# Altium PCB PM06-电源板-V1.PcbDoc
Units mm, origin at the board's own origin, x right, y up, seen from the top; angles counter-clockwise.
Board outline 100 x 40 mm, 2 copper layers (Top Layer, Bottom Layer); 58 components, 27 nets, 156 pads, 47 vias.
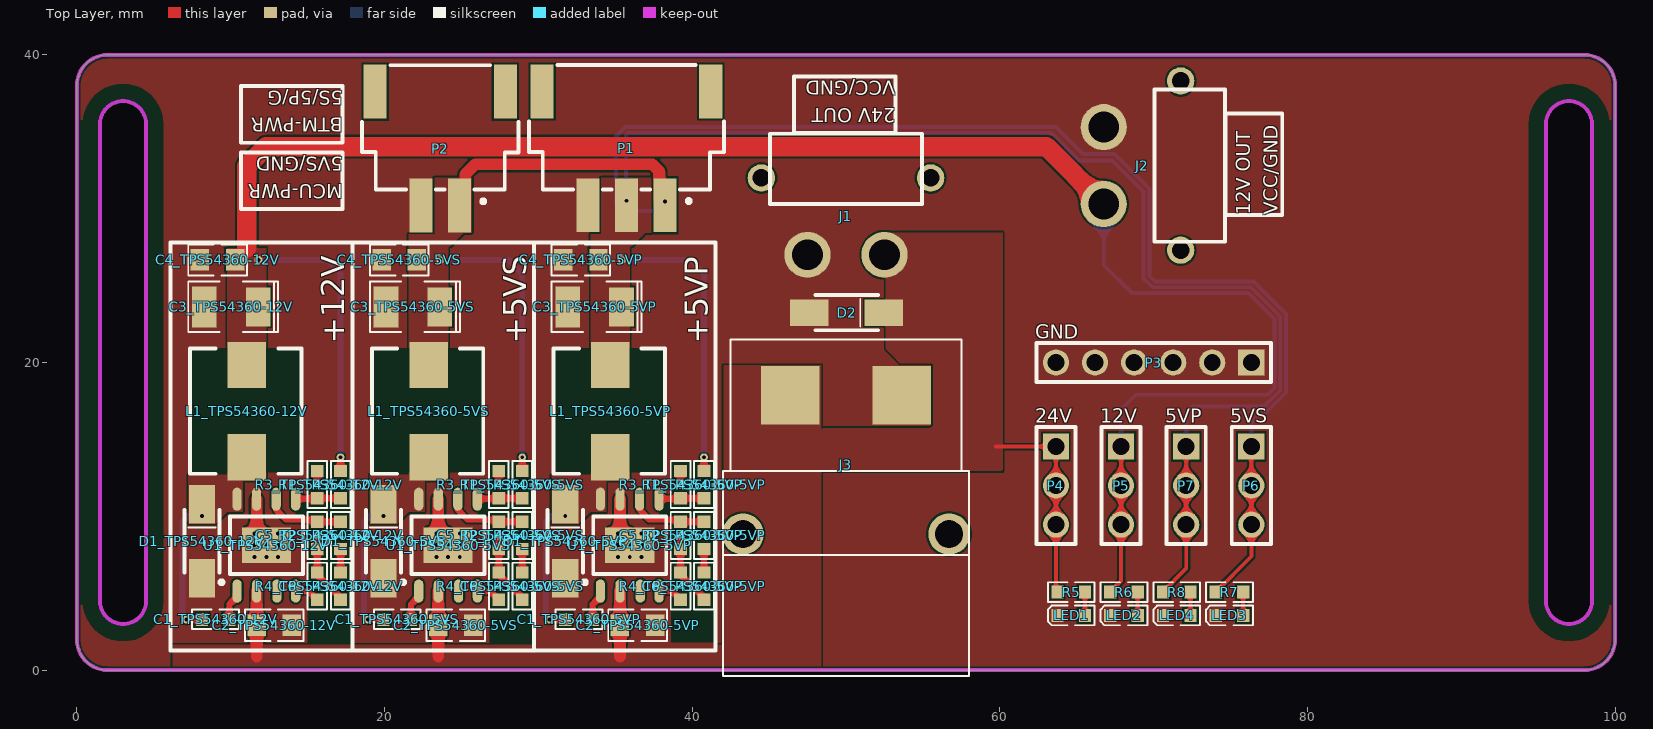
[diagram p0: Top Layer view]
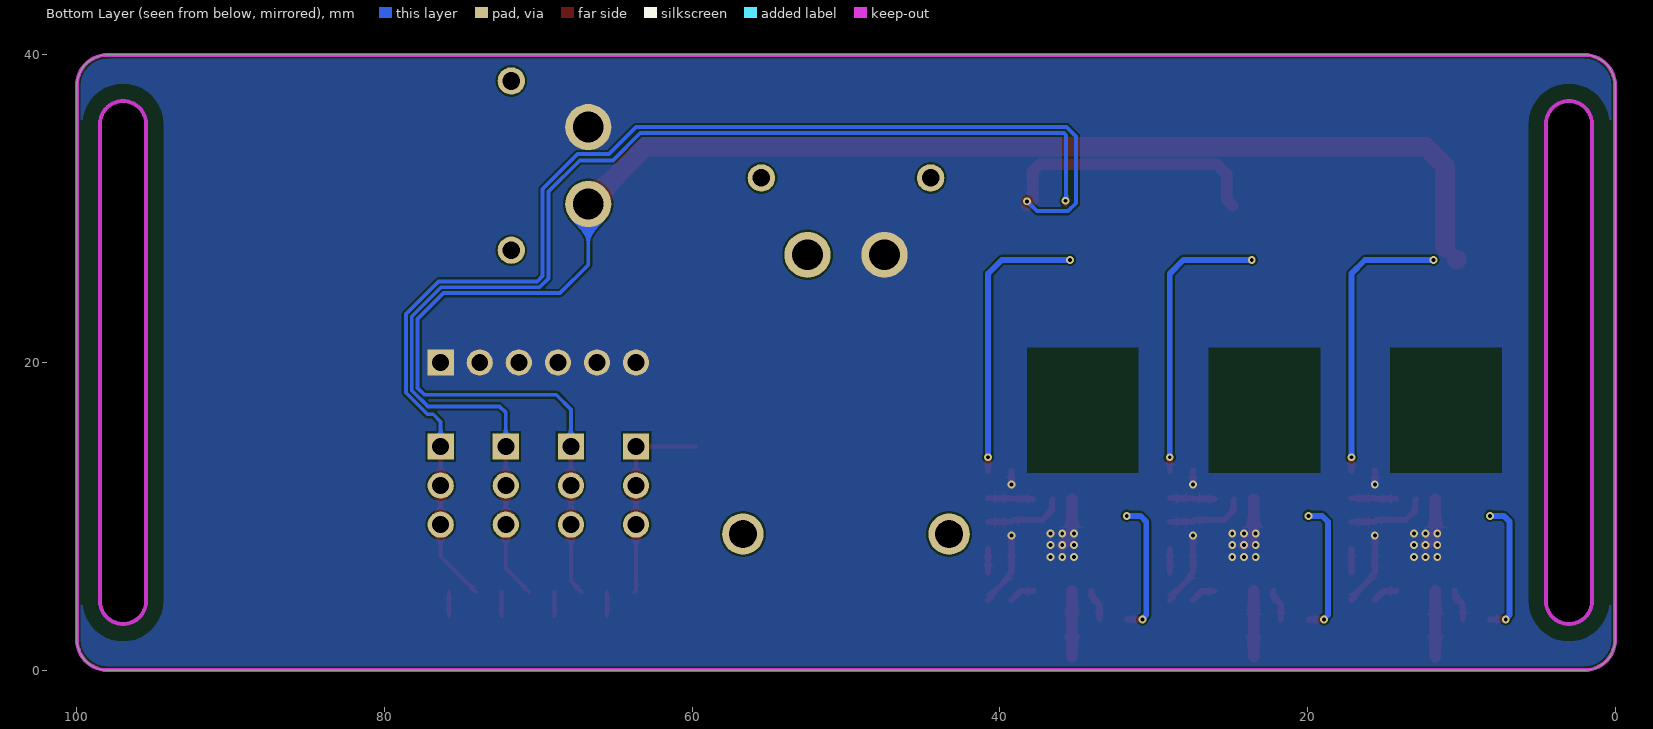
[diagram p1: Bottom Layer view, seen from below]
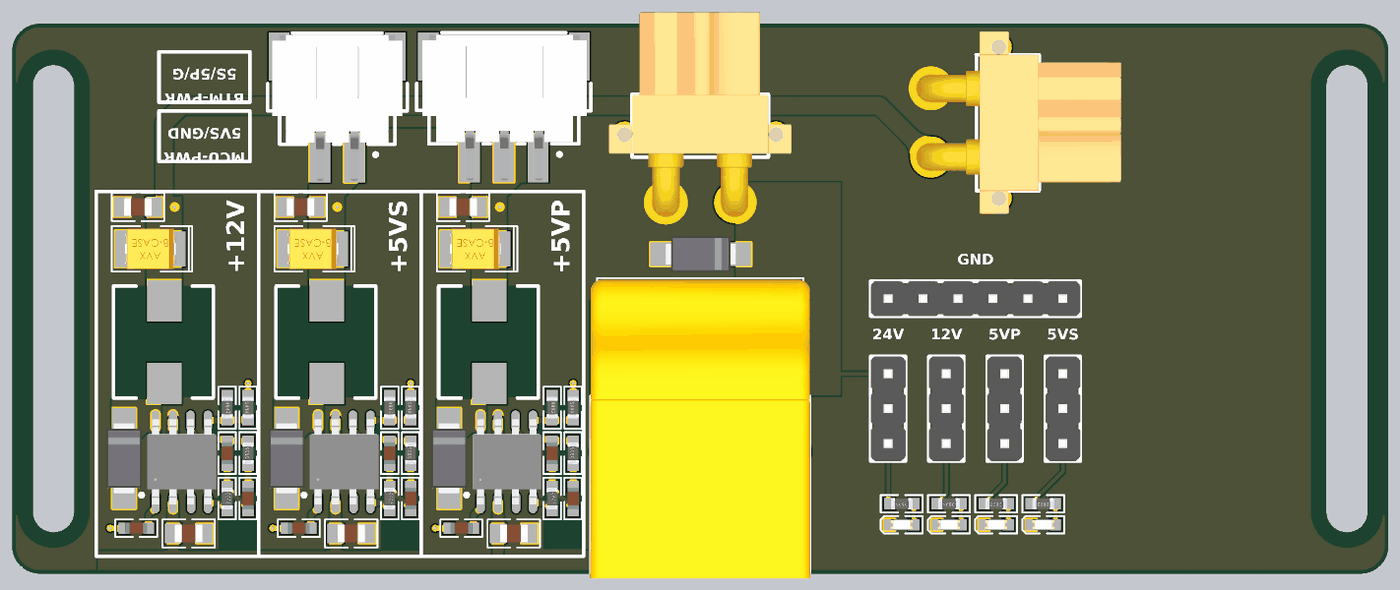
[diagram p2: 3D render of the assembled board from above, using the file's embedded part models]

## Layer stack, top to bottom
Top Solder: solder mask 0.0102, Solder Resist, Dk 3.5
Top Layer: signal copper 0.0356
Dielectric 1: dielectric 0.32, FR-4, Dk 4.8
Bottom Layer: signal copper 0.0356
Bottom Solder: solder mask 0.0102, Solder Resist, Dk 3.5

## Board outline
2,0 cw(c2,2) 0,2 0,38 cw(c2,38) 2,40 98,40 cw(c98,38) 100,38 100,2 cw(c98,2) 98,0
cut-out: 95.5,4.5 95.5,35.5 cw(c97,35.5) 98.5,35.5 98.5,4.5 cw(c97,4.5)
cut-out: 1.5,4.5 ccw(c3,4.5) 4.5,4.5 4.5,35.5 ccw(c3,35.5) 1.5,35.5

## Design rules (kind name [scope] priority, off if disabled: settings)
Clearance [All] p1: gap=0.127 ignorepadtopadclearanceinfootprint=FALSE
PolygonConnect [All] p1: connectstyle=Direct reliefconductorwidth=0.254 reliefentries=4 polygonreliefangle="90 Angle" airgapwidth=0.254
RoomDefinition TPS54360-12V [InComponentClass('TPS54360-12V')] p1: confinementstyle=ConfineIn formatcopy=TRUE lockcomponents=FALSE outline 17.907,1.778 17.907,27.94 6.223,27.94 6.223,1.778
RoutingVias [All] p1: holewidth=0.254 width=0.508 viastyle="Through Hole" minholewidth=0.254 minwidth=0.508 maxholewidth=0.711 maxwidth=1.27
SolderMaskExpansion [All] p1: expansion=0.102 istentingtop=FALSE
Width [All] p1: maxlimit=1.27 minlimit=0.127 preferedwidth=0.254
30 further rules are at their usual default settings.

## Classes and differential pairs
component class TPS54360-12V: C1_TPS54360-12V C2_TPS54360-12V C3_TPS54360-12V C4_TPS54360-12V C5_TPS54360-12V C6_TPS54360-12V D1_TPS54360-12V L1_TPS54360-12V R1_TPS54360-12V R2_TPS54360-12V R3_TPS54360-12V R4_TPS54360-12V U1_TPS54360-12V
component class TPS54360-5VS: C1_TPS54360-5VS C2_TPS54360-5VS C3_TPS54360-5VS C4_TPS54360-5VS C5_TPS54360-5VS C6_TPS54360-5VS D1_TPS54360-5VS L1_TPS54360-5VS R1_TPS54360-5VS R2_TPS54360-5VS R3_TPS54360-5VS R4_TPS54360-5VS U1_TPS54360-5VS
channel class TPS54360: TPS54360-5VP TPS54360-5VS TPS54360-12V
component class main: D2 J1 J2 J3 LED1 LED2 LED3 LED4 P1 P2 P3 P4 P5 P6 P7 R5 R6 R7 R8
component class TPS54360-5VP: C1_TPS54360-5VP C2_TPS54360-5VP C3_TPS54360-5VP C4_TPS54360-5VP C5_TPS54360-5VP C6_TPS54360-5VP D1_TPS54360-5VP L1_TPS54360-5VP R1_TPS54360-5VP R2_TPS54360-5VP R3_TPS54360-5VP R4_TPS54360-5VP U1_TPS54360-5VP

## Components (designator, comment, footprint, x,y, rotation, side; value= is the part's Value field where it differs from the comment)
C1_TPS54360-5VP "100nF" 0603C 32.639,3.302 r0 top (schematic designator C1)
C1_TPS54360-5VS "100nF" 0603C 20.828,3.302 r0 top (schematic designator C1)
C1_TPS54360-12V "100nF" 0603C 9.017,3.302 r0 top (schematic designator C1)
C2_TPS54360-5VP "4.7uF" 0805C 36.449,2.921 r180 top (schematic designator C2)
C2_TPS54360-5VS "4.7uF" 0805C 24.638,2.921 r180 top (schematic designator C2)
C2_TPS54360-12V "4.7uF" 0805C 12.827,2.921 r180 top (schematic designator C2)
C3_TPS54360-5VP "钽电容" 3528B/1210 33.655,23.622 r180 top (schematic designator C3)
C3_TPS54360-5VS "钽电容" 3528B/1210 21.844,23.622 r180 top (schematic designator C3)
C3_TPS54360-12V "钽电容" 3528B/1210 10.033,23.622 r180 top (schematic designator C3)
C4_TPS54360-5VP "47uF" 0805C 32.766,26.67 r0 top (schematic designator C4)
C4_TPS54360-5VS "47uF" 0805C 20.955,26.67 r0 top (schematic designator C4)
C4_TPS54360-12V "47uF" 0805C 9.144,26.67 r0 top (schematic designator C4)
C5_TPS54360-5VP "4.7nF" 0603C 39.243,8.763 r270 top (schematic designator C5)
C5_TPS54360-5VS "4.7nF" 0603C 27.432,8.763 r270 top (schematic designator C5)
C5_TPS54360-12V "4.7nF" 0603C 15.621,8.763 r270 top (schematic designator C5)
C6_TPS54360-5VP "4.7nF" 0603C 40.767,5.461 r270 top (schematic designator C6)
C6_TPS54360-5VS "4.7nF" 0603C 28.956,5.461 r270 top (schematic designator C6)
C6_TPS54360-12V "4.7nF" 0603C 17.145,5.461 r270 top (schematic designator C6)
D1_TPS54360-5VP "SS56" SMA 31.75,8.382 r90 top (schematic designator D1)
D1_TPS54360-5VS "SS56" SMA 19.939,8.382 r90 top (schematic designator D1)
D1_TPS54360-12V "SS56" SMA 8.128,8.382 r90 top (schematic designator D1)
D2 "SMAJ24A" SMA 50.038,23.241 r0 top
J1 "XT60" XT30-PW-F 50,27 r0 top
J2 "XT60" XT30-PW-F 66.755,32.805 r270 top
J3 "XT60" XT60-PT-M 50,10 r180 top
L1_TPS54360-5VP "10uH" 0630L 34.671,16.843 r90 top (schematic designator L1)
L1_TPS54360-5VS "10uH" 0630L 22.86,16.843 r90 top (schematic designator L1)
L1_TPS54360-12V "10uH" 0630L 11.049,16.843 r90 top (schematic designator L1)
LED1 "LED" 0603D 64.643,3.556 r180 top
LED2 "LED" 0603D 68.072,3.556 r180 top
LED3 "LED" 0603D 74.93,3.556 r180 top
LED4 "LED" 0603D 71.501,3.556 r180 top
P1 "XH2.54" XH2.54_AW_1*3 35.727,33.926 r180 top
P2 "XH2.54AW" XH2.54_AW_1*2 23.622,33.909 r180 top
P3 "排针" Pin-PB-M-1*6 70,20 r180 top
P4 "排针" Pin-PB-M-1*3 63.65,12 r270 top
P5 "排针" Pin-PB-M-1*3 67.883,12 r270 top
P6 "排针" Pin-PB-M-1*3 76.35,12 r270 top
P7 "排针" Pin-PB-M-1*3 72.117,12 r270 top
R1_TPS54360-5VP "60.4K" 0603R 40.767,12.065 r90 top (schematic designator R1)
R1_TPS54360-5VS "60.4K" 0603R 28.956,12.065 r90 top (schematic designator R1)
R1_TPS54360-12V "60.4K" 0603R 17.145,12.065 r90 top (schematic designator R1)
R2_TPS54360-5VP "28.7K" 0603R 40.767,8.763 r90 top (schematic designator R2)
R2_TPS54360-5VS "28.7K" 0603R 28.956,8.763 r90 top (schematic designator R2)
R2_TPS54360-12V "28.7K" 0603R 17.145,8.763 r90 top (schematic designator R2)
R3_TPS54360-5VP "11.5K" 0603R 39.243,12.065 r270 top (schematic designator R3)
R3_TPS54360-5VS "11.5K" 0603R 27.432,12.065 r270 top (schematic designator R3)
R3_TPS54360-12V "11.5K" 0603R 15.621,12.065 r270 top (schematic designator R3)
R4_TPS54360-5VP "124K" 0603R 39.243,5.461 r270 top (schematic designator R4)
R4_TPS54360-5VS "124K" 0603R 27.432,5.461 r270 top (schematic designator R4)
R4_TPS54360-12V "124K" 0603R 15.621,5.461 r270 top (schematic designator R4)
R5 "10K" 0603R 64.643,5.08 r180 top
R6 "10K" 0603R 68.072,5.08 r180 top
R7 "10K" 0603R 74.93,5.08 r180 top
R8 "10K" 0603R 71.501,5.08 r180 top
U1_TPS54360-5VP "TPS54360" SOP-8-PP 35.941,8.128 r90 top (schematic designator U1)
U1_TPS54360-5VS "TPS54360" SOP-8-PP 24.13,8.128 r90 top (schematic designator U1)
U1_TPS54360-12V "TPS54360" SOP-8-PP 12.319,8.128 r90 top (schematic designator U1)

## Footprints (in the part's own frame and the unit in brackets; to place one, negate y for a bottom-side part, rotate by r counter-clockwise, add the part's x,y. Pads: shape width x height; smd on the part's side, far side on the other; paste and mask are expansions set on the pad)
0603C [mm] "0603锟斤拷装锟斤拷锟斤拷锟斤拷锟斤拷"
  rect 0.8x0.83 smd: 1(-0.889,0) 2(0.889,0)
  silkscreen extent -1.52,-0.64 1.52,0.64, body extent -0.8,-0.41 0.8,0.41, height 0.81
0603D [mm] "0603锟斤拷装锟斤拷LED锟斤拷"
  rect 0.8x0.83 smd: 1(-0.889,0) 2(0.889,0)
  silkscreen extent -1.52,-0.64 1.52,0.64, body extent -0.81,-0.4 0.81,0.4, height 0.6
0603R [mm] "0603锟斤拷装锟斤拷锟斤拷锟斤拷锟矫ｏ拷缺锟斤拷为锟斤拷锟斤拷锟斤拷锟斤拷/锟斤拷锟斤拷"
  rect 0.8x0.83 smd: 1(-0.889,0) 2(0.889,0)
  silkscreen extent -1.52,-0.64 1.52,0.64, body extent -0.8,-0.4 0.8,0.4, height 0.42
0630L [mm]
  rect 3x2.5 smd: 1(-3,0) 2(3,0)
  silkscreen extent -4.07,-3.56 4.07,3.68, body extent -4,-3.43 4,3.57, height 4
0805C [mm] "0805锟斤拷装锟斤拷锟斤拷锟斤拷锟斤拷"
  rect 1.2x1.4 smd: 1(-1.143,0) 2(1.143,0)
  silkscreen extent -1.91,-1.02 1.91,1.02, body extent -1,-0.65 1,0.64, height 1.28
3528B/1210 [mm] "1210锟斤拷装锟斤拷锟斤拷锟斤拷锟紹锟斤拷锟矫ｏ拷缺锟斤拷为锟斤拷锟斤拷锟斤拷锟斤拷/锟斤拷锟斤拷"
  rect 1.6x2.54 smd: 1(-1.75,0)
  rect 1.6x2.667 smd: 2(1.75,0)
  silkscreen extent -3.05,-1.65 2.79,1.65, body extent -1.85,-1.47 1.85,1.46, height 2.03
Pin-PB-M-1*3 [mm]
  rect 1.7x1.7 hole 1.1: 1(-2.54,0)
  round 1.7 hole 1.1: 2(0,0) 3(2.54,0)
  silkscreen extent -3.81,-1.27 3.81,1.27, body extent -3.81,-1.27 3.81,1.27, height 8.54
Pin-PB-M-1*6 [mm]
  rect 1.7x1.7 hole 1.1: 1(-6.35,0)
  round 1.7 hole 1.1: 2(-3.81,0) 3(-1.27,0) 4(1.27,0) 5(3.81,0) 6(6.35,0)
  silkscreen extent -7.62,-1.27 7.62,1.27, body extent -7.62,-1.27 7.62,1.27, height 8.54
SMA [mm] "锟斤拷锟斤拷锟斤拷肖锟截伙拷锟斤拷锟斤拷锟杰的凤拷装锟斤拷锟斤拷锟斤拷锟竭碉拷一锟斤拷为锟斤拷锟斤拷"
  rect 2.5x1.7 smd: 1(-2.413,0) 2(2.413,0)
  silkscreen extent -2.03,-1.14 2.03,1.14, body extent -2.6,-1.3 2.6,1.3, height 2.37
SOP-8-PP [mm] "通锟斤拷SOP8锟斤拷装锟斤拷锟斤拷锟阶诧拷锟斤拷锟斤拷"
  oval 1.5x0.6 smd: 1(-2.984,1.905) 2(-2.984,0.635) 3(-2.984,-0.686) 4(-2.984,-1.905) 5(2.984,-1.905) 6(2.984,-0.635) 7(2.984,0.635) 8(2.984,1.905)
  rect 2.3x3.2 smd: 9(0,0)
  silkscreen extent -2.54,-2.37 1.87,3.05, body extent -3.1,-2.5 3.1,2.5, height 1.7
XH2.54_AW_1*2 [mm]
  rect 1.5x3.5 smd: 1(-1.25,3.7) 2(1.25,3.7) ""(-4.23,-3.7) ""(4.23,-3.7)
  silkscreen extent -5.08,-5.42 5.08,3.56, body extent -4.73,-5.27 4.73,5.33, height 5.97
XH2.54_AW_1*3 [mm]
  rect 1.5x3.5 smd: 1(-2.5,3.7) 2(0,3.7) 3(2.5,3.7) ""(-5.48,-3.7) ""(5.48,-3.7)
  silkscreen extent -6.33,-5.42 6.33,3.56, body extent -6.02,-5.28 5.93,5.32, height 5.97
XT30-PW-F [mm]
  round 3 hole 2: 1(2.5,0) 2(-2.5,0)
  round 1.778 hole 1.143: 3(-5.5,5) 4(5.5,5)
  silkscreen extent -4.95,3.29 4.95,7.87, body extent -6.65,-1.06 6.65,13.84, height 5
XT60-PT-M [mm]
  rect 3.81x3.81 smd: 1(3.625,-7.875) 2(-3.625,-7.875)
  round 2.7 hole 1.8 slot 1.8 at 0 deg: ""(-6.7,1.15) ""(6.7,1.15)
  silkscreen extent -8,-11.5 8,10.38, body extent -8,-11.38 8,10.32, height 8.37

## Part data
C1_TPS54360-5VP C1_TPS54360-5VS C1_TPS54360-12V C2_TPS54360-5VP C2_TPS54360-5VS C2_TPS54360-12V C4_TPS54360-5VP C4_TPS54360-5VS C4_TPS54360-12V C5_TPS54360-5VP C5_TPS54360-5VS C5_TPS54360-12V C6_TPS54360-5VP C6_TPS54360-5VS C6_TPS54360-12V: library part 电容_贴片
C3_TPS54360-5VP C3_TPS54360-5VS C3_TPS54360-12V: library part 电容_贴片钽
D1_TPS54360-5VP D1_TPS54360-5VS D1_TPS54360-12V: library part 二极管_肖特基
D2: library part 二极管_瞬态抑制
J1 J2 J3: library part 接口_XT
L1_TPS54360-5VP L1_TPS54360-5VS L1_TPS54360-12V: library part 电感_贴片
LED1 LED2 LED3 LED4: library part 二极管_贴片发光
P1 P4 P5 P6 P7: library part 接插件1*3
P2: library part 接插件1*2
P3: library part 接插件1*6
R1_TPS54360-5VP R1_TPS54360-5VS R1_TPS54360-12V R2_TPS54360-5VP R2_TPS54360-5VS R2_TPS54360-12V R3_TPS54360-5VP R3_TPS54360-5VS R3_TPS54360-12V R4_TPS54360-5VP R4_TPS54360-5VS R4_TPS54360-12V R5 R6 R7 R8: library part 电阻_贴片
U1_TPS54360-5VP U1_TPS54360-5VS U1_TPS54360-12V: library part 芯片/IC-电源管理-TPS54360

## Via types
v1: diameter 0.508, hole 0.254, Top Layer to Bottom Layer, 47 vias

## Nets (pads, with @x,y where several pads share a name; then routed paths per layer and width w, separated by ;. In a path a pad name is that pad's centre, name@x,y a point inside that pad or via, vN(x,y) a via of type N, cw(c..) or ccw(c..) an arc to the next point about the centre after c; other vN are vias at no path point)
+5VP: C3_TPS54360-5VP.1 C4_TPS54360-5VP.2 L1_TPS54360-5VP.2 P1.2 P7.1 P7.2 P7.3 R1_TPS54360-5VP.2 R8.2 | length 97.8
  Top Layer w0.254: P1.2 v1(35.727,30.52) ; R8.2 70.612,5.095 72.117,6.6 P7.3 P7.2 P7.1
  Top Layer w0.381: R1_TPS54360-5VP.2 v1(40.767,13.843)
  Bottom Layer w0.254: v1(35.727,30.52) 35.687,30.56 35.687,34.776 35.836,34.925 63.373,34.925 65.151,33.147 67.31,33.147 69.342,31.115 69.342,26.797 69.342,25.465 69.915,24.892 71.247,24.892 76.331,24.892 78.232,22.991 78.232,18.192 77.185,17.145 72.517,17.145 72.117,16.745 P7.1
  Bottom Layer w0.381: v1(35.433,26.67) 39.878,26.67 40.767,25.781 v1(40.767,13.843)
+5VS: C3_TPS54360-5VS.1 C4_TPS54360-5VS.2 L1_TPS54360-5VS.2 P1.1 P2.1 P6.1 P6.2 P6.3 R1_TPS54360-5VS.2 R7.2 | length 116.6
  Top Layer w0.254: R7.2 74.041,5.095 76.35,7.404 P6.3 P6.2 P6.1
  Top Layer w0.381: R1_TPS54360-5VS.2 v1(28.956,13.843)
  Top Layer w0.762: P2.1 25.241,30.578 25.241,32.226 25.908,32.893 37.412,32.893 37.858,32.447 37.858,30.595 P1.1@38.1,30.353 ; P1.1 v1(38.227,30.48)
  Bottom Layer w0.254: v1(38.227,30.48) 37.592,29.845 35.56,29.845 35.052,30.353 35.052,34.702 35.656,35.306 63.647,35.306 65.402,33.551 67.445,33.551 69.723,31.273 69.723,25.623 70.073,25.273 76.489,25.273 78.613,23.149 78.613,18.034 77.216,16.637 76.835,16.637 76.35,16.152 P6.1
  Bottom Layer w0.381: v1(23.622,26.67) 28.067,26.67 28.956,25.781 v1(28.956,13.843)
+12V: C3_TPS54360-12V.1 C4_TPS54360-12V.2 J2.1 L1_TPS54360-12V.2 P5.1 P5.2 P5.3 R1_TPS54360-12V.2 R6.2 | length 125.4
  Top Layer w0.254: R6.2 67.183,5.095 67.883,5.795 P5.3 P5.2 P5.1
  Top Layer w0.381: R1_TPS54360-12V.2 v1(17.145,13.843)
  Top Layer w1.27: C4_TPS54360-12V.2 C4_TPS54360-12V.2@10.287,26.7 ; 11.049,27.462 11.049,32.766 12.319,34.036 63.024,34.036 J2.1
  Bottom Layer w0.254: J2.1 66.755,26.336 68.58,24.511 76.173,24.511 77.851,22.833 77.851,18.35 77.408,17.907 68.834,17.907 67.883,16.956 P5.1
  Bottom Layer w0.381: v1(11.811,26.67) 16.256,26.67 17.145,25.781 v1(17.145,13.843)
FB_54360_TPS54360-5VP: R1_TPS54360-5VP.1 R3_TPS54360-5VP.2 U1_TPS54360-5VP.5 | length 2.9
  Top Layer w0.381: U1_TPS54360-5VP.5 37.878,11.144 39.211,11.144 R3_TPS54360-5VP.2 R1_TPS54360-5VP.1
FB_54360_TPS54360-5VS: R1_TPS54360-5VS.1 R3_TPS54360-5VS.2 U1_TPS54360-5VS.5 | length 2.9
  Top Layer w0.381: U1_TPS54360-5VS.5 26.067,11.144 27.4,11.144 R3_TPS54360-5VS.2 R1_TPS54360-5VS.1
FB_54360_TPS54360-12V: R1_TPS54360-12V.1 R3_TPS54360-12V.2 U1_TPS54360-12V.5 | length 2.9
  Top Layer w0.381: U1_TPS54360-12V.5 14.256,11.144 15.589,11.144 R3_TPS54360-12V.2 R1_TPS54360-12V.1
GND: C2_TPS54360-5VP.1 C2_TPS54360-5VS.1 C2_TPS54360-12V.1 C3_TPS54360-5VP.2 C3_TPS54360-5VS.2 C3_TPS54360-12V.2 C4_TPS54360-5VP.1 C4_TPS54360-5VS.1 C4_TPS54360-12V.1 C5_TPS54360-5VP.2 C5_TPS54360-5VS.2 C5_TPS54360-12V.2 C6_TPS54360-5VP.2 C6_TPS54360-5VS.2 C6_TPS54360-12V.2 D1_TPS54360-5VP.1 D1_TPS54360-5VS.1 D1_TPS54360-12V.1 D2.1 J1.2 J2.2 J3.2 LED1.2 LED2.2 LED3.2 LED4.2 P1.3 P2.2 P3.1 P3.2 P3.3 P3.4 P3.5 P3.6 R3_TPS54360-5VP.1 R3_TPS54360-5VS.1 R3_TPS54360-12V.1 R4_TPS54360-5VP.1 R4_TPS54360-5VS.1 R4_TPS54360-12V.1 U1_TPS54360-5VP.7 U1_TPS54360-5VP.9 U1_TPS54360-5VS.7 U1_TPS54360-5VS.9 U1_TPS54360-12V.7 U1_TPS54360-12V.9 | length 26.9
  Top Layer w0.381: v1(15.621,8.763) C5_TPS54360-12V.2 R4_TPS54360-12V.1 15.636,6.35 15.846,6.14 15.846,5.998 16.92,4.924 16.92,4.782 17.13,4.572 C6_TPS54360-12V.2 ; v1(15.621,12.065) R3_TPS54360-12V.1 ; v1(27.432,8.763) C5_TPS54360-5VS.2 R4_TPS54360-5VS.1 27.447,6.35 27.657,6.14 27.657,5.998 28.731,4.924 28.731,4.782 28.941,4.572 C6_TPS54360-5VS.2 ; v1(27.432,12.065) R3_TPS54360-5VS.1 ; v1(39.243,8.763) C5_TPS54360-5VP.2 R4_TPS54360-5VP.1 39.258,6.35 39.468,6.14 39.468,5.998 40.542,4.924 40.542,4.782 40.752,4.572 C6_TPS54360-5VP.2 ; v1(39.243,12.065) R3_TPS54360-5VP.1
  Top Layer w0.762: U1_TPS54360-12V.7 11.684,8.763 v1(12.319,8.128) ; U1_TPS54360-5VS.7 23.495,8.763 v1(24.13,8.128) ; U1_TPS54360-5VP.7 35.306,8.763 v1(35.941,8.128)
  other v1: 11.557,7.366 12.319,7.366 13.081,7.366 23.368,7.366 24.13,7.366 24.892,7.366 35.179,7.366 35.941,7.366 36.703,7.366 11.557,8.128 13.081,8.128 23.368,8.128 24.892,8.128 35.179,8.128 36.703,8.128 11.557,8.89 12.319,8.89 13.081,8.89 23.368,8.89 24.13,8.89 24.892,8.89 35.179,8.89 35.941,8.89 36.703,8.89
NetC1_TPS54360-5VP_1: C1_TPS54360-5VP.1 D1_TPS54360-5VP.2 L1_TPS54360-5VP.1 U1_TPS54360-5VP.8 | length 8.9
  Top Layer w0.381: v1(30.734,3.302) C1_TPS54360-5VP.1
  Bottom Layer w0.381: v1(30.734,3.302) 30.734,3.335 30.48,3.589 30.48,9.652 30.861,10.033 v1(31.75,10.033)
NetC1_TPS54360-5VP_2: C1_TPS54360-5VP.2 U1_TPS54360-5VP.1 | length 2.1
  Top Layer w0.381: C1_TPS54360-5VP.2 33.528,4.289 33.891,4.652 33.935,4.652 34.036,4.753 U1_TPS54360-5VP.1
NetC1_TPS54360-5VS_1: C1_TPS54360-5VS.1 D1_TPS54360-5VS.2 L1_TPS54360-5VS.1 U1_TPS54360-5VS.8 | length 8.9
  Top Layer w0.381: v1(18.923,3.302) C1_TPS54360-5VS.1
  Bottom Layer w0.381: v1(18.923,3.302) 18.923,3.335 18.669,3.589 18.669,9.652 19.05,10.033 v1(19.939,10.033)
NetC1_TPS54360-5VS_2: C1_TPS54360-5VS.2 U1_TPS54360-5VS.1 | length 2.1
  Top Layer w0.381: C1_TPS54360-5VS.2 21.717,4.289 22.08,4.652 22.124,4.652 22.225,4.753 U1_TPS54360-5VS.1
NetC1_TPS54360-12V_1: C1_TPS54360-12V.1 D1_TPS54360-12V.2 L1_TPS54360-12V.1 U1_TPS54360-12V.8 | length 8.9
  Top Layer w0.381: v1(7.112,3.302) C1_TPS54360-12V.1
  Bottom Layer w0.381: v1(7.112,3.302) 7.112,3.335 6.858,3.589 6.858,9.652 7.239,10.033 v1(8.128,10.033)
NetC1_TPS54360-12V_2: C1_TPS54360-12V.2 U1_TPS54360-12V.1 | length 2.1
  Top Layer w0.381: C1_TPS54360-12V.2 9.906,4.289 10.269,4.652 10.313,4.652 10.414,4.753 U1_TPS54360-12V.1
NetC5_TPS54360-5VP_1: C5_TPS54360-5VP.1 R2_TPS54360-5VP.2 U1_TPS54360-5VP.6 | length 5.2
  Top Layer w0.381: U1_TPS54360-5VP.6 36.618,11.071 36.618,10.372 37.211,9.779 39.116,9.779 C5_TPS54360-5VP.1 R2_TPS54360-5VP.2
NetC5_TPS54360-5VS_1: C5_TPS54360-5VS.1 R2_TPS54360-5VS.2 U1_TPS54360-5VS.6 | length 5.2
  Top Layer w0.381: U1_TPS54360-5VS.6 24.807,11.071 24.807,10.372 25.4,9.779 27.305,9.779 C5_TPS54360-5VS.1 R2_TPS54360-5VS.2
NetC5_TPS54360-12V_1: C5_TPS54360-12V.1 R2_TPS54360-12V.2 U1_TPS54360-12V.6 | length 5.2
  Top Layer w0.381: U1_TPS54360-12V.6 12.996,11.071 12.996,10.372 13.589,9.779 15.494,9.779 C5_TPS54360-12V.1 R2_TPS54360-12V.2
NetC6_TPS54360-5VP_1: C6_TPS54360-5VP.1 R2_TPS54360-5VP.1 | length 1.5
  Top Layer w0.381: C6_TPS54360-5VP.1 R2_TPS54360-5VP.1
NetC6_TPS54360-5VS_1: C6_TPS54360-5VS.1 R2_TPS54360-5VS.1 | length 1.5
  Top Layer w0.381: C6_TPS54360-5VS.1 R2_TPS54360-5VS.1
NetC6_TPS54360-12V_1: C6_TPS54360-12V.1 R2_TPS54360-12V.1 | length 1.5
  Top Layer w0.381: C6_TPS54360-12V.1 R2_TPS54360-12V.1
NetLED1_1: LED1.1 R5.1 | length 1.5
  Top Layer w0.254: LED1.1 R5.1
NetLED2_1: LED2.1 R6.1 | length 1.5
  Top Layer w0.254: LED2.1 R6.1
NetLED3_1: LED3.1 R7.1 | length 1.5
  Top Layer w0.254: LED3.1 R7.1
NetLED4_1: LED4.1 R8.1 | length 1.5
  Top Layer w0.254: LED4.1 R8.1
NetR4_TPS54360-5VP_2: R4_TPS54360-5VP.2 U1_TPS54360-5VP.4 | length 1.6
  Top Layer w0.381: U1_TPS54360-5VP.4 38.672,5.143 39.018,4.797 39.018,4.782 39.228,4.572 R4_TPS54360-5VP.2
NetR4_TPS54360-5VS_2: R4_TPS54360-5VS.2 U1_TPS54360-5VS.4 | length 1.6
  Top Layer w0.381: U1_TPS54360-5VS.4 26.86,5.143 27.207,4.797 27.207,4.782 27.417,4.572 R4_TPS54360-5VS.2
NetR4_TPS54360-12V_2: R4_TPS54360-12V.2 U1_TPS54360-12V.4 | length 1.6
  Top Layer w0.381: U1_TPS54360-12V.4 15.05,5.143 15.396,4.797 15.396,4.782 15.606,4.572 R4_TPS54360-12V.2
VCC: C2_TPS54360-5VP.2 C2_TPS54360-5VS.2 C2_TPS54360-12V.2 D2.2 J1.1 J3.1 P4.1 P4.2 P4.3 R5.2 U1_TPS54360-5VP.2 U1_TPS54360-5VS.2 U1_TPS54360-12V.2 | length 26.6
  Top Layer w0.254: 59.755,14.54 P4.1 P4.2 P4.3 63.65,5.184 R5.2
  Top Layer w0.762: 11.684,0.889 C2_TPS54360-12V.2 U1_TPS54360-12V.2 ; 23.495,0.889 C2_TPS54360-5VS.2 U1_TPS54360-5VS.2 ; 35.306,0.889 C2_TPS54360-5VP.2 U1_TPS54360-5VP.2
  Bottom Layer w0.254: P4.1@63.331,14.859 P4.1
pads on no net: J1.3 J1.4 J2.3 J2.4 J3. P1. P2. U1_TPS54360-5VP.3 U1_TPS54360-5VS.3 U1_TPS54360-12V.3

## Polygon pours and split planes (outlines as drawn)
GND on Top Layer "NONET_L01_P-001" (solid, remove dead copper, pour order 28): 0,0 99.949,0 99.949,39.878 100.076,40.005 99.949,40.132 0,40.132
GND on Top Layer "NONET_L01_P-001" (solid, remove dead copper, pour order 4): 6.223,1.778 17.907,1.778 17.907,27.432 6.223,27.432
VCC on Top Layer "NONET_L01_P-001" (solid, pour order 27): 52.451,28.448 52.451,19.812 48.387,19.812 48.387,12.954 60.198,12.954 60.198,28.448
GND on Top Layer "NONET_L01_P-001" (solid, pour order 26): 45.72,28.448 45.72,15.875 55.626,15.875 55.499,16.002 55.499,19.812 53.467,19.812 52.451,20.828 52.451,28.448
+5VP on Top Layer "NONET_L01_P-001" (solid, pour order 23): 33.401,27.432 33.401,32.004 37.465,32.004 37.465,28.448 36.957,28.448 35.941,27.432
+5VS on Top Layer "NONET_L01_P-001" (solid, pour order 22): 21.59,27.432 21.59,32.004 25.654,32.004 25.654,28.448 25.146,28.448 24.13,27.432
VCC on Top Layer "NONET_L01_P-001" (solid, pour order 21): 42.037,19.812 42.037,1.651 6.223,1.651 6.223,0 48.387,0 48.387,19.812
NetC1_TPS54360-12V_1 on Top Layer "NONET_L01_P-001" (solid, pour order 0): 7.239,9.525 9.017,9.525 9.779,10.287 10.795,10.287 10.795,12.319 12.319,12.319 12.319,15.367 9.779,15.367 9.779,12.7 7.239,12.7
+12V on Top Layer "NONET_L01_P-001" (solid, pour order 1): 9.779,18.288 12.319,18.288 12.319,27.432 9.779,27.432
GND on Top Layer "NONET_L01_P-001" (solid, pour order 2): 7.239,4.699 9.017,4.699 9.017,6.223 9.779,6.985 13.97,6.985 13.97,9.271 7.239,9.271
+5VS on Top Layer "NONET_L01_P-001" (solid, pour order 15): 21.59,18.288 24.13,18.288 24.13,27.432 21.59,27.432
+5VP on Top Layer "NONET_L01_P-001" (solid, pour order 16): 33.401,18.288 35.941,18.288 35.941,27.432 33.401,27.432
NetC1_TPS54360-5VS_1 on Top Layer "NONET_L01_P-001" (solid, pour order 17): 19.05,9.525 20.828,9.525 21.59,10.287 22.606,10.287 22.606,12.319 24.13,12.319 24.13,15.367 21.59,15.367 21.59,12.7 19.05,12.7
NetC1_TPS54360-5VP_1 on Top Layer "NONET_L01_P-001" (solid, pour order 18): 30.861,9.525 32.639,9.525 33.401,10.287 34.417,10.287 34.417,12.319 35.941,12.319 35.941,15.367 33.401,15.367 33.401,12.7 30.861,12.7
GND on Top Layer "NONET_L01_P-001" (solid, remove dead copper, pour order 19): 18.034,1.778 29.718,1.778 29.718,27.432 18.034,27.432
GND on Top Layer "NONET_L01_P-001" (solid, remove dead copper, pour order 20): 29.845,1.27 41.529,1.27 41.529,27.432 29.845,27.432
GND on Bottom Layer "NONET_L01_P-001" (solid, remove dead copper, pour order 29): 0,0 99.949,0 99.949,39.878 100.076,40.005 99.949,40.132 0,40.132
GND on Bottom Layer "NONET_L01_P-001" (solid, pour order 3): 6.223,1.778 17.907,1.778 17.907,27.94 6.223,27.94
GND on Bottom Layer "NONET_L01_P-001" (solid, pour order 8): 18.034,1.778 29.718,1.778 29.718,27.94 18.034,27.94
GND on Bottom Layer "NONET_L01_P-001" (solid, pour order 13): 29.845,1.778 41.529,1.778 41.529,27.94 29.845,27.94

## Keep-outs
Keep-Out Layer:
  lines w0.254: 0,2 ccw(c2,2) 2,0 98,0 ccw(c98,2) 100,2 100,38 ccw(c98,38) 98,40 2,40 ccw(c2,38) 0,38 0,2 ; 1.5,4.5 ccw(c3,4.5) 4.5,4.5 4.5,35.5 ccw(c3,35.5) 1.5,35.5 1.5,4.5 ; 95.5,4.5 ccw(c97,4.5) 98.5,4.5 98.5,35.5 ccw(c97,35.5) 95.5,35.5 95.5,4.5

## Other copper
Top Layer:
  pour cut-out: 38.608,1.778 38.608,13.589 41.529,13.589 41.529,1.778
  pour cut-out: 26.797,1.778 26.797,13.589 29.718,13.589 29.718,1.778
  pour cut-out: 14.986,1.778 14.986,13.589 17.907,13.589 17.907,1.778
  pour cut-out: 7.366,12.827 14.605,12.827 14.605,20.955 7.366,20.955
  pour cut-out: 30.988,12.827 38.227,12.827 38.227,20.955 30.988,20.955
  pour cut-out: 19.177,12.827 26.416,12.827 26.416,20.955 19.177,20.955
Bottom Layer:
  pour cut-out: 7.366,12.827 14.605,12.827 14.605,20.955 7.366,20.955
  pour cut-out: 30.988,12.827 38.227,12.827 38.227,20.955 30.988,20.955
  pour cut-out: 19.177,12.827 26.416,12.827 26.416,20.955 19.177,20.955

## Silkscreen, mask and mechanical layers (free items; w line width, h text height)
Top Overlay:
  lines w0.254: 17.907,1.27 6.096,1.27 6.096,27.813 17.907,27.813 ; 17.907,1.27 17.907,27.813 ; 17.907,1.27 29.718,1.27 ; 17.907,1.27 17.907,27.813 ; 17.907,27.813 29.718,27.813 ; 29.718,1.27 29.718,27.813 ; 29.718,1.27 29.718,27.813 ; 29.718,1.27 41.529,1.27 41.529,27.813 29.718,27.813 ; 10.668,29.972 17.272,29.972 17.272,33.655 10.668,33.655 10.668,29.972 ; 10.668,34.29 10.668,37.973 17.272,37.973 17.272,34.29 10.668,34.29 ; 46.609,34.925 46.609,38.608 53.213,38.608 53.213,34.925 46.609,34.925 ; 74.68,29.592 74.68,36.196 78.363,36.196 78.363,29.592 74.68,29.592
  text "VCC/GND" at 53.213,38.608 h1.52 r180
  text "5S/5P/G" at 17.272,37.973 h1.52 r180
  text "24V OUT" at 53.213,36.83 h1.52 r180
  text "BTM-PWR" at 17.272,36.195 h1.52 r180
  text "5VS/GND" at 17.272,33.655 h1.52 r180
  text "MCU-PWR" at 17.272,31.877 h1.52 r180
  text "12V OUT" at 76.585,29.592 h1.52 r90
  text "VCC/GND" at 78.363,29.592 h1.52 r90
  text "GND" at 62.293,21.247 h1.52
  text "+12V" at 17.884,21.209 h2.54 r90
  text "+5VS" at 29.695,21.209 h2.54 r90
  text "+5VP" at 41.506,21.209 h2.54 r90
  text "24V" at 62.293,15.787 h1.52
  text "12V" at 66.527,15.787 h1.52
  text "5VP" at 70.76,15.787 h1.52
  text "5VS" at 74.993,15.787 h1.52